# Allegro board RK_EVB7_RK3588_LP4XD200P232SD8_V11_20230111YWQ.brd (continued)
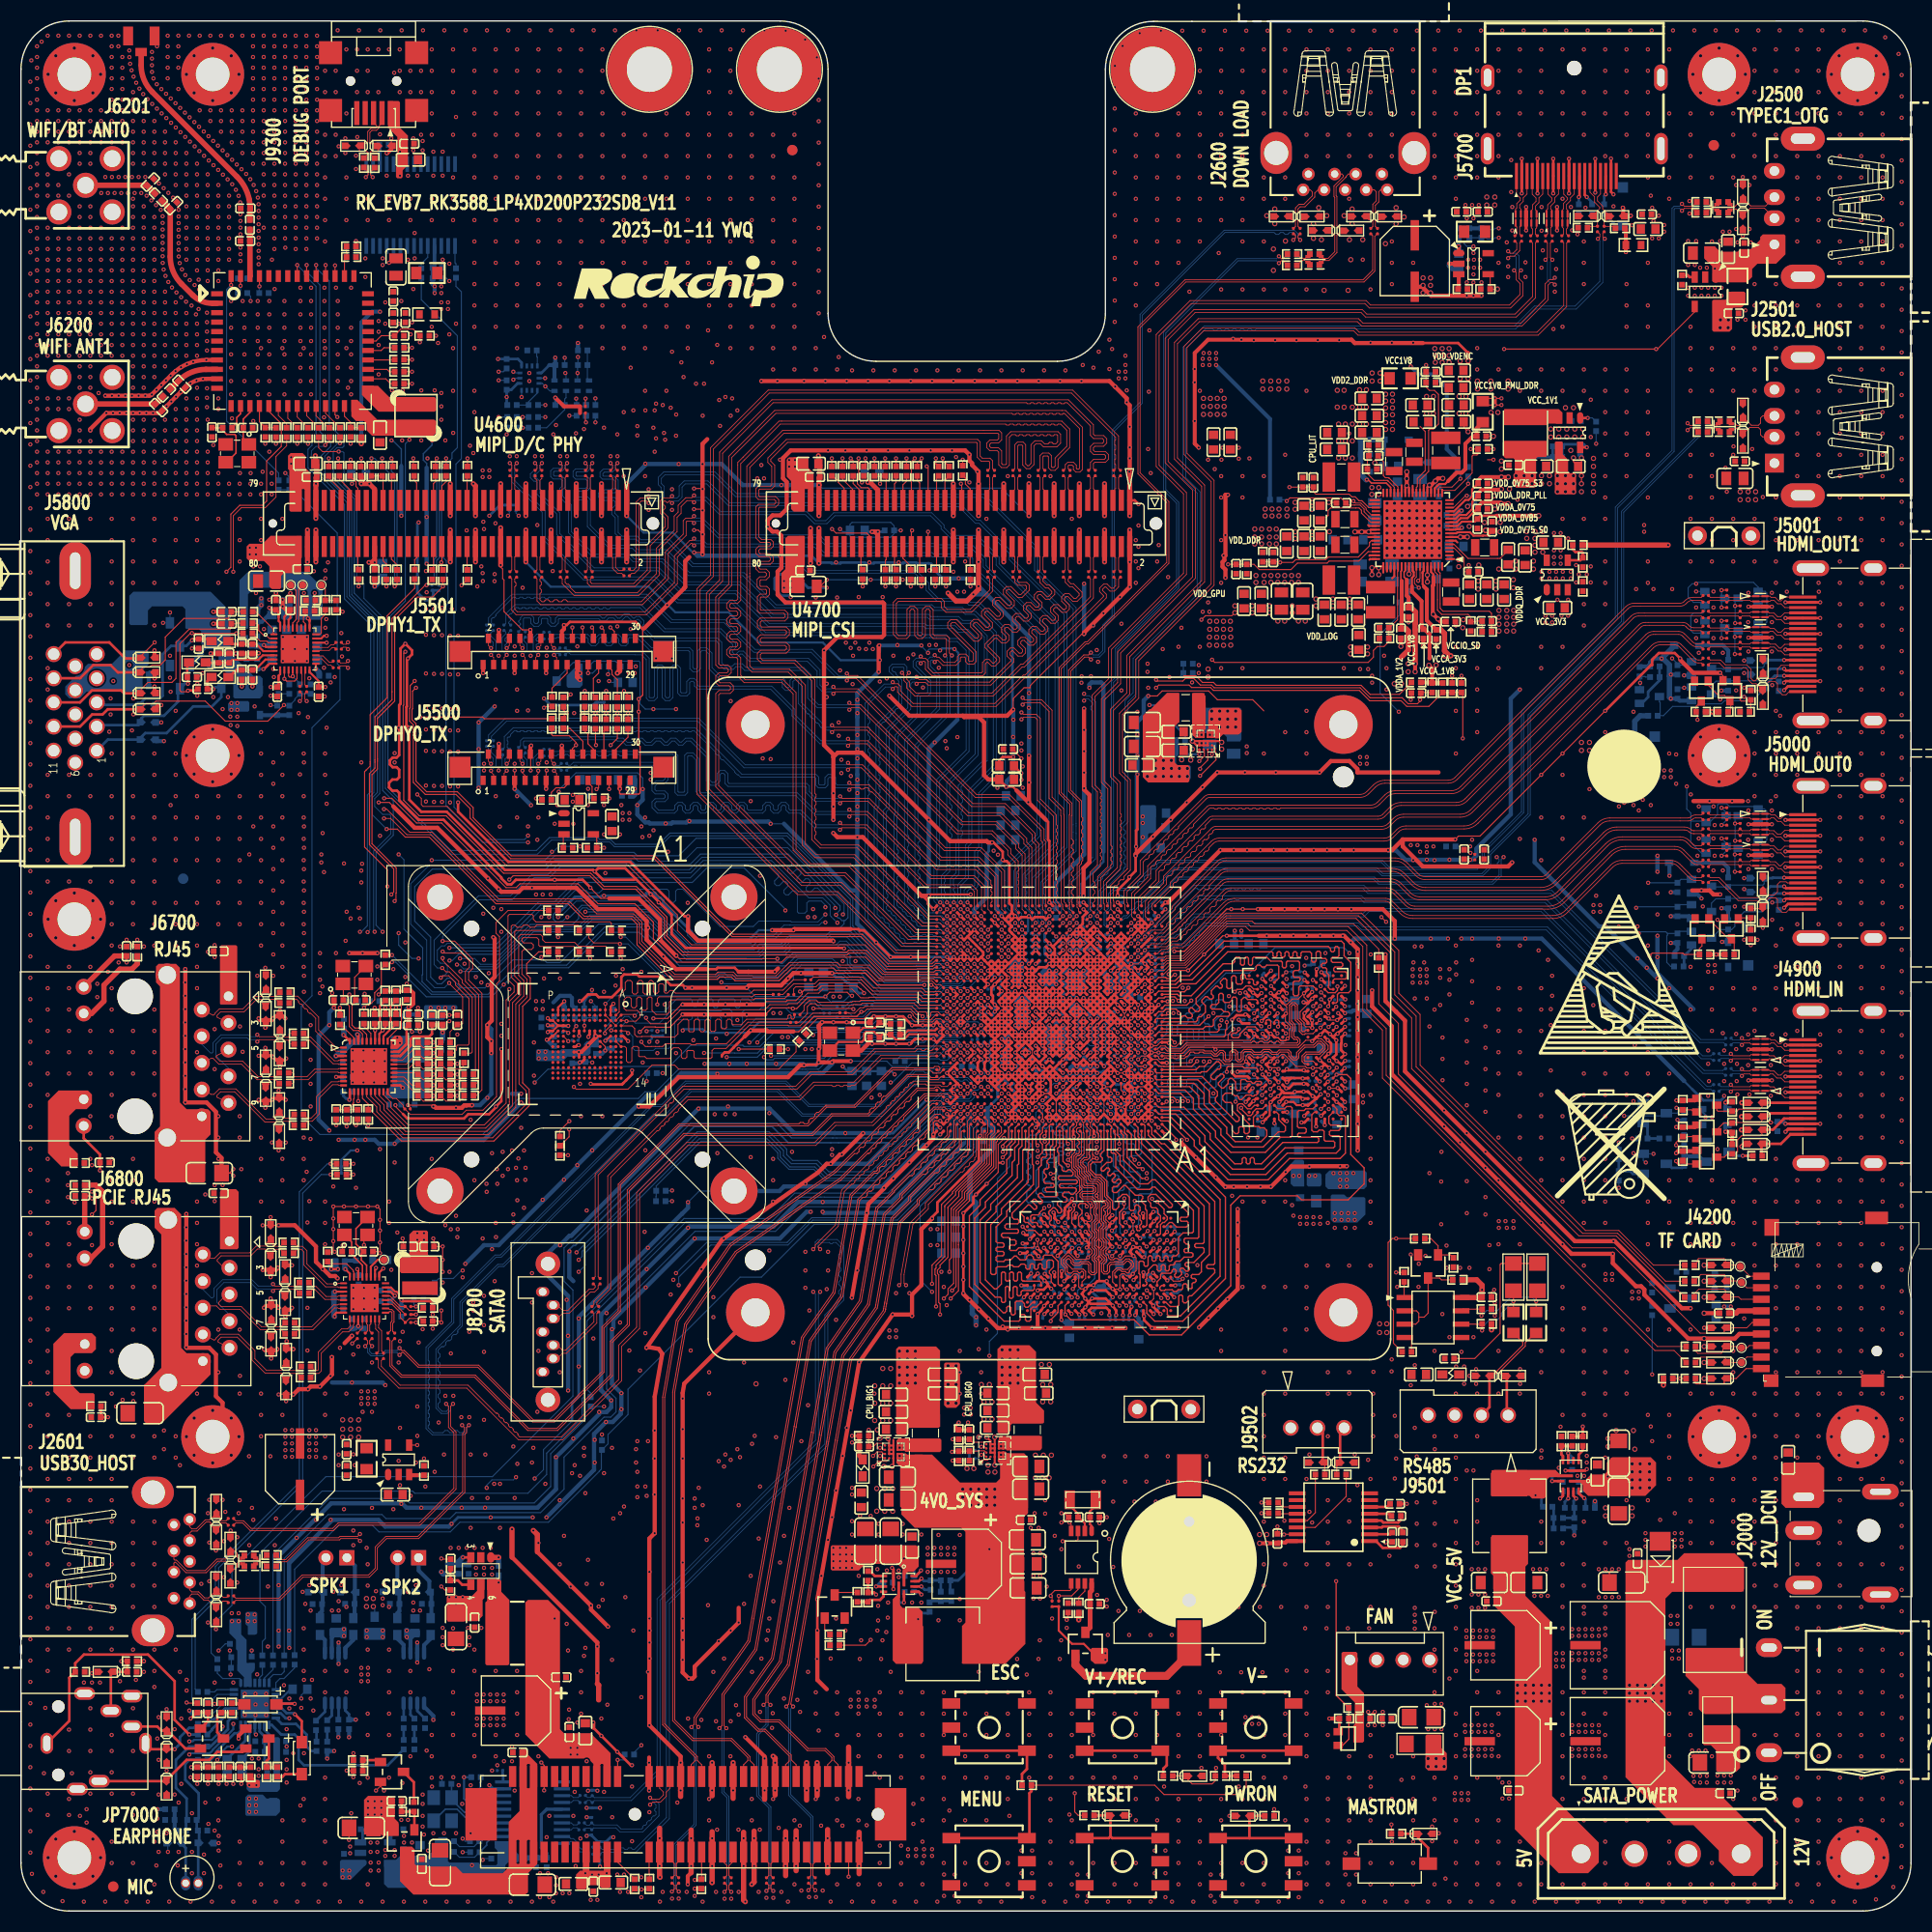
[diagram p0: board, top side]
## Routing (per net, layer and track width the routed paths; a pad name or vN(x,y) marks a point on that pad's centre or on a via; arc(x,y) is an arc through that point) (continued)
  TOP w0.254: U1000.AE6 v1(105.74,89.55) U1000.AD5 ; U1000.AE6 105.07,90.23 ; U1000.AE6 v1(105.74,90.2) ; v1(99.89,77.2) 99.57,76.88 99.57,76.88 ; v1(99.89,77.2) U1000.F14 ; v1(99.89,77.2) 99.57,77.53 U1000.F15 ; v1(99.89,82.4) U1000.P14 100.22,82.73 v1(99.89,83.05) ; v1(99.89,82.4) 99.57,82.73 U1000.P15 v1(99.89,83.05) ; v1(99.89,82.4) 100.22,82.08 U1000.N14 99.89,81.75 ; v1(99.89,82.4) U1000.N15 99.89,81.75 ; 92.74,85 92.1,84.37 ; 92.74,85 v1(93.39,84.35) ; 92.74,85 93.07,85.33 U1000.V25 ; 92.1,84.37 U1000.T27 v1(92.09,83.7) ; 92.1,84.37 92.42,84.05 U1000.T26 ; 92.1,84.37 92.08,84.37 91.71,84.74 ; v1(103.79,77.85) U1000.F9 ; U1000.F9 103.14,77.85 ; U1000.F9 103.47,77.53 103.14,77.2 U1000.F10 102.82,77.53 ; U1000.F9 v1(103.79,77.2) U1000.E8 v1(104.44,76.55) 104.29,76.4 104.29,75.99 ; 94.68,77.84 95.02,78.18 U1000.G22 ; 94.68,77.84 U1000.F23 ; 94.68,77.84 94.99,77.53 U1000.F22 ; U1000.D23 94.37,76.23 v1(94.04,75.9) ; U1000.D23 v1(94.69,75.9) ; U1000.D23 94.37,76.23 94.7,76.56 ; 94,94.14 94.08,94.14 U1000.AM23 ; 94,94.14 U1000.AL23 94.13,93.54 94.13,93.36 U1000.AK23 94.37,93.13 94.69,92.81 ; 94,94.14 U1000.AM24 ; U1000.AD11 101.52,89.88 U1000.AE12 ; U1000.AD11 102.82,89.88 ; U1000.AD11 102.17,89.23 v1(102.49,88.9) ; U1000.AD11 v1(101.84,88.9) U1000.AC12 101.83,88.26 ; U1000.U19 97.28,84.36 v1(97.28,84.35) ; U1000.U19 v1(96.64,84.35) ; U1000.U19 96.97,84.68 97.3,85.01 ; 107.04,75.9 U1000.C4 ; 107.04,75.9 U1000.D3 ; 107.04,75.9 107.36,75.58 U1000.C3 ; U1000.C4 v1(106.39,75.25) U1000.C5 106.07,75.58 v1(105.74,75.25) ; U1000.C4 106.72,75.58 v1(107.04,75.25) U1000.C3 ; U1000.G22 v1(95.34,78.5) ; U1000.G22 v1(95.34,77.85) ; U1000.G22 94.77,78.43 94.77,78.58 U1000.H22 ; v1(95.34,78.5) U1000.G21 v1(95.34,77.85) ; v1(95.34,78.5) 95.02,78.83 U1000.H22 ; 94.04,94.75 94.05,94.75 U1000.AM23 ; 94.04,94.75 U1000.AN23 ; 94.04,94.75 U1000.AM24 ; 95.31,79.83 U1000.J21 ; 95.31,79.83 95.37,79.83 U1000.K21 ; 95.31,79.83 U1000.K22 ; 95.31,79.83 95.31,79.77 U1000.J22 ; U1000.J21 95.97,79.78 96.02,79.78 ; U1000.J21 95.34,79.15 ; U1000.J21 95.93,79.22 96.06,79.22 U1000.J20 ; U1000.J22 94.72,79.18 94.66,79.18 ; U1000.J22 95.34,79.15 ; U1000.J22 v1(94.69,79.8) ; 103.79,80.45 103.47,80.13 U1000.K9 ; 103.79,80.45 U1000.K8 ; 103.79,80.45 103.47,80.78 U1000.L9 v1(103.79,81.1) 103.47,81.43 U1000.M9 103.79,81.75 U1000.N9 v1(103.79,82.4) ; v1(93.39,84.35) U1000.T24 ; v1(93.39,84.35) U1000.U24 ; v1(93.39,84.35) U1000.T25 ; U1000.T24 93.72,84.03 94.04,84.35 ; U1000.T24 v1(93.39,83.7) ; U1000.T24 94.04,83.71 ; v1(97.94,94.75) U1000.AM18 97.39,94.66 96.54,94.66 U1000.AM20 v1(95.99,94.75) 95.89,94.66 95.24,94.66 U1000.AM22 v1(94.69,94.75) ; U1000.AG30 v1(89.49,91.5) ; U1000.AG30 v1(90.14,90.85) ; U1000.AG30 v1(89.49,90.85) ; v1(89.75,58.84) v1(89.75,60.11) v1(89.75,61.38) v1(89.75,62.65) v1(89.75,63.92) v1(89.75,65.19) v1(89.75,66.46) 90.7,67.41 90.7,67.99 v1(90.96,68.24) v1(91.97,69.26) ; v1(100.54,81.1) U1000.M14 ; U1000.M14 99.94,81.15 99.85,81.15 U1000.M15 ; U1000.M14 99.89,81.75 ; U1000.F23 94.37,77.52 94.69,77.2 ; U1000.F23 v1(94.04,77.85) ; U1000.Y14 v1(100.54,86.95) U1000.Y13 ; U1000.Y14 v1(99.89,86.95) U1000.Y15 ; U1000.Y14 99.92,86.33 ; v1(58.2,80.05) 58.2,79.68 57.63,79.12 57.25,78.73 57.24,78.72 54.32,78.72 v1(54.26,78.78) ; U1000.AA3 107.63,87.02 107.63,86.89 U1000.Y3 ; U1000.AA3 v1(107.69,87.6) U1000.AB3 107.37,87.93 v1(107.69,88.25) U1000.AC3 ; U1000.AA3 107.04,86.95 107.37,86.63 U1000.Y3 ; 99.24,89.55 98.92,89.23 U1000.AD16 v1(99.24,88.9) U1000.AC16 99.24,88.25 98.92,87.93 U1000.AB16 ; 99.24,89.55 U1000.AE15 ; 99.24,89.55 U1000.AE16 ; v1(92.09,79.15) v1(92.74,79.8) ; v1(92.09,79.15) U1000.J27 91.77,79.48 v1(91.44,79.15) ; v1(92.09,79.15) U1000.H26 ; U1000.W9 103.47,85.98 103.79,85.65 ; U1000.W9 U1000.Y10 ; U1000.W9 103.14,85.65 ; U1000.W9 103.77,86.28 ; 96.64,83.05 U1000.P20 ; 96.64,83.05 U1000.R19 ; 96.64,83.05 U1000.P19 ; 96.64,83.05 U1000.R20 ; U1000.P20 95.99,82.4 ; U1000.P20 96.32,82.73 v1(95.99,83.05) ; v1(167.92,116.98) 168.08,117.14 J5001.17 v1(171.35,117.14) ; v1(120.55,75.22) 120.37,75.22 U3800.AB5 ; v1(101.5,63.19) 101.7,63.38 U3801.N4 101.39,63.89 101.39,63.9 v1(101.36,63.93) 101.35,63.93 101.05,64.23 U3801.P3 100.81,64.61 v1(100.81,64.73) ; U1000.AJ22 94.69,92.81 ; U1000.AJ22 95.02,92.48 v1(95.34,92.15) ; U1000.AJ22 95,92.48 94.69,92.16 ; U1000.AJ22 v1(95.34,92.8) U1000.AJ21 95.67,92.48 v1(95.34,92.15) ; 94.69,92.81 94.69,92.8 U1000.AJ23 94.37,92.48 94.69,92.16 ; 101.18,93.46 100.87,93.78 U1000.AL13 ; 101.18,93.46 U1000.AK12 ; 101.18,93.46 100.87,93.15 U1000.AK13 ; U1000.AA21 v1(95.34,87.6) U1000.AA22 ; U1000.AA21 96,86.95 ; U1000.AA21 v1(95.99,87.6) ; U1000.AB32 v1(88.84,87.6) U1000.AA31 v1(88.84,86.95) ; U3801.N11 101.7,58.03 v1(102.01,58.33) 103.29,58.33 U3801.K11 103.8,57.83 ; U3801.N11 v1(101.36,58.32) U3801.P10 v1(101.37,59.25) ; U3801.N11 101.85,57.83 103.8,57.83 ; U3801.N11 101.36,57.5 v1(101.36,57.5) 101.36,57.49 U3801.P12 101.05,57.13 v1(101.37,56.81) ; C5822.2 16.72,116.25 15.93,116.25 v1(15.9,116.22) ; 103.14,77.85 102.82,78.18 U1000.G10 v1(103.14,78.5) U1000.H10 ; 103.14,77.85 102.82,77.53 ; U1000.AA19 U1000.Y20 ; U1000.AA19 v1(97.29,87.6) ; U1000.AA19 v1(96.64,87.6) ; U1000.AA19 v1(97.29,86.95) ; U1000.Y20 96,86.95 ; U1000.Y20 96.32,86.63 v1(96.64,86.3) ; 104.82,84.63 104.82,84.73 ; 104.82,84.63 104.43,85.02 ; 104.82,84.63 v1(105.09,84.35) ; 104.82,84.73 v1(104.44,84.35) U1000.V9 ; 104.82,84.73 v1(105.09,85) 105.4,84.69 ; v1(94.04,85) U1000.U23 94.04,84.35 ; v1(94.04,85) U1000.U24 ; v1(94.04,85) 93.72,85.33 U1000.V24 ; v1(94.04,85) U1000.V23 94.04,85.65 ; 96,80.46 95.69,80.78 U1000.L21 ; 96,80.46 U1000.K21 ; 96,80.46 96.32,80.78 U1000.L20 ; v1(104.3,56.76) U3801.J12 v1(103.97,57.65) 103.8,57.83 ; U1000.C22 v1(94.69,75.25) U1000.C23 ; U1000.C22 95.02,75.58 v1(95.34,75.25) U1000.C21 95.99,75.25 96.09,75.35 U1000.C20 96.32,75.58 v1(96.64,75.25) 96.97,74.93 U1000.B19 v1(96.64,74.6) ; U1000.C22 v1(94.69,75.9) ; v1(96.64,88.25) 96.97,87.93 U1000.AB19 ; v1(96.64,88.25) U1000.AB20 ; v1(96.64,88.25) 96.32,88.58 U1000.AC20 ; U1000.F20 96.32,77.53 v1(96.64,77.2) ; U1000.F20 v1(95.99,77.2) ; U1000.F20 96.32,77.53 96.64,77.85 ; U1000.AK13 v1(100.54,92.8) 100.22,93.13 U1000.AK14 ; U1000.AK13 100.8,93.2 ; U1000.AF15 v1(99.89,90.85) ; U1000.AF15 v1(99.24,90.85) ; U1000.AF15 v1(99.89,90.2) U1000.AE14 v1(100.54,90.2) ; U1000.AF15 99.24,90.2 ; v1(99.89,90.85) U1000.AF14 ; v1(99.89,90.85) U1000.AG15 v1(99.24,90.85) ; U3801.E12 106.9,56.78 106.93,56.75 106.93,56.68 v1(106.96,56.65) 106.96,56.28 v1(107.72,55.51) ; v1(171.35,80.97) J4900.5 v1(168.05,80.97) ; U1000.Y8 103.83,86.92 103.83,86.99 ; U1000.Y8 103.77,86.28 ; U1000.Y8 104.42,86.93 104.42,86.98 U1000.AA8 ; U1000.Y8 v1(104.44,86.3) U1000.W7 v1(105.09,85.65) 105.42,85.98 U1000.W6 ; 103.79,90.2 U1000.AF8 ; 103.79,90.2 103.15,90.85 ; 103.79,90.2 U1000.AE9 ; U1000.AF8 104.43,90.22 ; U1000.AF8 v1(103.79,90.85) ; U1000.AF8 104.44,90.85 ; U3801.C1 v1(107.91,65.69) 107.55,65.33 U3801.D2 ; U3800.T8 v1(122.07,79.29) 122.03,79.33 120.97,79.33 ; 90.14,92.8 91.64,91.3 91.64,91.04 91.45,90.85 ; 90.14,92.8 U1000.AJ30 v1(89.49,92.8) ; 90.14,92.8 U1000.AK29 ; 97.94,79.16 97.94,79.15 98.07,79.03 98.07,77.98 97.94,77.85 98.27,77.53 ; 97.94,79.16 97.62,79.48 U1000.J18 ; 97.94,79.16 98.26,79.48 ; U1000.L20 96,81.1 96,81.11 ; U1000.L20 96.61,81.07 96.68,81.07 ; U1000.Y3 v1(107.69,86.3) ; v1(107.69,86.3) U1000.W2 ; v1(107.69,86.3) U1000.W3 ; 105.41,77.53 105.54,77.4 105.54,77.4 v1(105.74,77.2) 105.42,76.88 U1000.E6 105.42,76.88 ; 105.41,77.53 v1(105.74,77.85) ; 105.41,77.53 v1(105.09,77.2) ; v1(105.09,84.35) U1000.T6 ; v1(105.09,84.35) 105.09,84.38 105.4,84.69 ; U1000.T6 v1(105.74,83.7) U1000.R5 ; U1000.T6 v1(105.74,84.35) 105.74,84.38 105.43,84.69 ; U1000.P8 v1(104.44,82.4) ; U1000.P8 104.12,82.73 v1(104.44,83.05) U1000.R8 ; U1000.P8 v1(103.79,82.4) ; v1(105.6,56.76) U3801.G12 v1(105.77,57.55) ; U1000.W6 v1(105.74,86.3) ; U1000.W6 105.42,85.98 v1(105.74,85.65) U1000.V5 ; v1(105.74,86.3) U1000.Y6 ; v1(105.74,86.3) 106.07,86.63 U1000.Y5 ; 92.1,85 91.83,84.74 91.71,84.74 ; 92.1,85 U1000.T25 ; 92.1,85 91.77,85.33 U1000.V27 ; U2000.10 v1(85.75,30.91) ; v1(105.09,91.5) 104.12,92.48 U1000.AJ8 ; v1(105.09,91.5) 105.42,91.18 ; v1(105.09,91.5) U1000.AG7 ; U1000.H14 v1(99.89,79.15) ; U1000.H14 99.89,78.5 U1000.G15 ; U1000.H14 v1(100.54,79.15) ; v1(99.89,79.15) 99.57,79.48 U1000.J15 v1(99.24,79.15) U1000.J16 ; v1(99.89,79.15) U1000.J14 100.22,79.48 v1(100.54,79.15) ; 133.5,149.33 136.87,149.33 137.82,148.38 ; 98.26,90.52 97.95,90.21 ; 98.26,90.52 98.58,90.84 98.61,90.84 ; 98.26,90.52 98.27,90.52 ; 97.95,90.21 U1000.AE18 U1000.AE19 96.64,89.55 ; 97.95,90.21 98.2,89.96 98.32,89.96 98.58,90.21 ; v1(99.24,85) 99.57,85.33 U1000.V15 ; v1(99.24,85) U1000.U16 v1(98.59,85) 98.27,84.68 U1000.U17 ; v1(99.24,85) 99.57,84.68 U1000.U15 ; v1(96.64,84.35) 96.32,84.68 U1000.U20 ; v1(96.64,84.35) U1000.T20 ; v1(96.64,84.35) U1000.T19 ; U3800.D9 123.22,87.13 v1(122.98,86.89) U3800.E8 122.22,86.48 v1(122.15,86.55) ; 98.27,75.58 v1(97.94,75.25) U1000.C18 v1(97.94,75.9) ; 98.27,75.58 v1(97.94,75.9) ; 98.27,75.58 U1000.C17 ; U1000.AC20 v1(95.99,88.9) ; U1000.AC20 v1(96.64,88.9) U1000.AD20 ; U1000.AC20 v1(95.99,88.25) ; U3800.J3 118.89,83.55 v1(119.02,83.55) 119.04,83.55 U3800.K4 ; v1(95.34,83.05) 95.02,83.38 U1000.R22 ; v1(95.34,83.05) U1000.P21 ; v1(95.34,83.05) U1000.P22 ; v1(95.34,83.05) U1000.R21 ; 104.29,75.99 104.36,75.99 U1000.C7 ; 104.29,75.99 104.29,75.75 U1000.C8 ; U1000.AD20 96.32,89.23 v1(95.99,89.55) ; U1000.AD20 96.64,89.55 ; U1000.AD20 v1(95.99,88.9) ; 92.74,79.15 U1000.H26 ; 92.74,79.15 U1000.J25 ; 92.74,79.15 U1000.H25 ; U1000.H26 92.73,78.52 ; C1035.2 93.17,109.57 93.51,109.91 v1(94.49,109.91) ; U1000.L19 v1(97.29,80.45) 97.62,80.13 U1000.K18 ; U1000.L19 96.68,81.07 ; U1000.L19 U1000.M18 v1(97.29,81.75) U1000.N18 97.62,82.08 v1(97.29,82.4) ; U1000.R22 v1(95.34,83.7) U1000.R21 ; U1000.R22 v1(94.69,83.05) ; U1000.R22 95.02,83.38 v1(94.69,83.7) ; 101.22,90.23 101.16,90.23 U1000.AF13 ; 101.22,90.23 U1000.AF12 ; 101.22,90.23 101.22,90.17 U1000.AE12 ; 101.22,90.23 U1000.AE13 v1(100.54,90.2) ; 98.27,77.53 98.59,77.2 U1000.F16 ; 98.27,77.53 U1000.E18 97.62,76.88 v1(97.94,76.55) 97.62,76.23 v1(97.94,75.9) ; v1(51.71,122.47) 51.97,122.47 52.27,122.77 58.52,122.77 59.21,122.09 ; U1000.V27 v1(91.44,85) 91.71,84.74 ; U1000.V27 v1(91.44,85.65) 91.77,85.98 U1000.W27 v1(91.44,86.3) U1000.Y28 v1(90.79,86.3) ; 92.74,89.55 U1000.AE26 ; 92.74,89.55 93.07,89.23 U1000.AD25 93.39,89.55 ; 92.74,89.55 v1(93.39,90.2) ; 92.74,89.55 U1000.AD26 ; U1000.AE26 92.09,90.2 ; U1000.AE26 92.42,89.88 v1(92.09,89.55) U1000.AD26 ; U1000.AE26 92.74,90.2 ; 90.81,79.14 91.12,79.45 U1000.J28 v1(91.44,79.15) ; 90.81,79.14 90.47,79.48 U1000.J29 ; 90.81,79.14 U1000.H28 v1(91.44,79.15) ; U1000.C30 v1(89.49,75.25) ; U3800.G1 116.76,85.38 v1(116.61,85.38) 116.54,85.31 115.77,85.31 v1(115.34,84.88) ; v1(99.89,83.05) 99.57,83.38 U1000.R15 v1(99.89,83.7) 99.57,84.03 U1000.T15 v1(99.89,84.35) 99.57,84.68 U1000.U15 ; 96,86.95 96,86.96 U1000.AA20 ; U1000.H31 89.17,78.83 v1(89.49,78.5) ; U1000.H31 U1000.J32 v1(88.19,79.8) U1000.K32 88.81,80.42 ; U1000.H31 v1(88.84,78.5) U1000.G32 88.52,78.18 v1(88.84,77.85) 89.17,77.53 U1000.F31 U1000.E32 v1(88.19,77.2) ; U1000.J4 106.72,79.48 v1(107.04,79.15) ; U1000.J4 106.39,79.8 U1000.J5 ; U1000.J4 v1(106.39,79.15) U1000.J5 ; U1000.J4 v1(107.04,79.8) ; v1(89.49,85) 89.17,84.68 U1000.U31 v1(89.49,84.35) U1000.U30 89.82,84.68 v1(89.49,85) ; v1(89.49,85) U1000.V30 ; U1000.AP1 v1(108.99,96.05) ; 106.39,88.9 U1000.AC5 ; 106.39,88.9 U1000.AD5 ; 106.39,88.9 U1000.AC4 ; U1000.AC5 v1(106.39,88.25) ; U1000.AC5 v1(105.74,88.9) 106.07,89.23 U1000.AD5 ; U1000.AC5 105.75,88.26 ; 106.72,83.38 v1(106.39,83.7) U1000.R5 ; 106.72,83.38 v1(107.04,83.05) ; 106.72,83.38 v1(106.39,83.05) U1000.R5 ; U1000.Y13 v1(101.19,86.95) U1000.Y12 ; U1000.Y13 100.87,86.63 v1(101.19,86.3) U1000.W12 ; v1(101.19,79.15) U1000.J12 101.52,79.48 v1(101.84,79.15) ; v1(101.19,79.15) U1000.H12 ; v1(101.19,79.15) 100.87,79.48 U1000.J13 v1(100.54,79.15) ; U1000.H6 v1(105.74,79.15) ; U1000.H6 105.08,78.5 105.4,78.18 U1000.G6 ; U1000.H6 105.74,78.5 ; v1(105.74,79.15) U1000.J6 ; v1(105.74,79.15) 106.07,79.48 ; U1000.F14 100.22,77.53 v1(100.54,77.2) U1000.F13 100.87,77.53 v1(101.19,77.2) 101.52,76.88 U1000.E12 101.52,76.88 v1(101.84,76.55) 101.52,76.23 v1(101.84,75.9) ; U1000.F14 v1(99.89,77.85) ; U1000.J5 106.07,79.48 ; 106.07,79.48 v1(105.74,79.8) ; U3801.D4 v1(107.87,63.9) ; U1000.L31 89.17,80.78 88.81,80.42 ; U1000.M15 99.89,81.75 ; U1000.M15 v1(99.24,81.1) U1000.L16 98.32,80.18 ; 99.89,81.75 99.89,81.75 ; U1000.F21 95.33,77.19 ; U1000.F21 v1(95.34,77.85) ; U1000.F21 95.67,77.53 v1(95.99,77.2) ; 95.33,77.19 U1000.E22 ; 95.33,77.19 95.33,77.21 U1000.F22 ; U1000.J19 v1(97.29,79.15) ; U1000.J19 97.3,79.81 ; U1000.J19 96.97,79.46 96.65,79.14 ; U1000.J19 96.71,79.73 96.57,79.73 U1000.J20 ; v1(97.29,79.15) U1000.J18 ; v1(97.29,79.15) U1000.H19 ; 97.3,79.81 97.3,79.8 U1000.J18 ; 97.3,79.81 U1000.K18 ; U1000.AN23 U1000.AP23 94.13,95.96 94.13,99.74 93.88,99.99 93.62,99.99 v1(93.5,100.12) 93.5,100.88 92.61,101.77 v1(92.48,101.77) ; U1000.AN23 v1(94.69,94.75) ; U1000.Y15 99.87,86.33 99.92,86.33 ; U1000.Y15 v1(99.24,86.95) ; U1000.Y15 U1000.W16 ; 104.43,90.22 104.46,90.22 U1000.AF7 ; 104.43,90.22 U1000.AE7 ; v1(106.32,108.24) 106.32,103.01 106.2,102.89 v1(106.2,101.39) 106.2,100.54 v1(106.15,100.5) 106.15,99.06 v1(105.56,98.47) 105.56,98.34 104.44,97.22 v1(104.44,96.7) ; U1000.AM23 v1(94.69,94.75) ; v1(103.79,90.85) 102.82,89.88 ; v1(103.79,90.85) 104.1,91.17 ; 102.82,89.88 102.18,90.53 U1000.AF11 ; 102.82,89.88 103.14,89.56 103.14,89.55 ; v1(145.93,166.88) J5700.8 v1(145.93,163.58) ; 96.64,77.85 96.96,77.53 U1000.F19 ; 96.64,77.85 U1000.G19 ; U1000.T25 93.44,83.65 ; U1000.T25 U1000.R26 ; v1(90.79,83.7) 91.12,83.38 U1000.R28 ; U1000.C8 v1(103.79,75.25) U1000.C9 103.14,75.9 102.82,75.58 U1000.C10 102.82,75.58 v1(102.49,75.25) 102.17,75.58 U1000.C11 ; U1000.C8 104.44,75.25 U1000.C7 ; U3801.C8 v1(107.8,60.78) ; v1(99.24,90.85) U1000.AF16 ; v1(41.62,105.58) 41.62,104.7 46.41,99.91 58.01,99.91 63.2,94.73 v1(63.53,94.73) ; U1000.R20 v1(95.99,83.05) ; U1000.R20 96.64,83.7 ; U1000.R20 v1(95.99,83.7) ; v1(95.99,83.05) U1000.P21 ; v1(95.99,83.05) 95.67,83.38 U1000.R21 ; U1000.V15 99.23,85.66 ; U1000.V15 v1(99.89,85) U1000.U15 ; 99.23,85.66 99.25,85.66 U1000.W15 ; 99.23,85.66 98.92,85.98 U1000.W16 ; U1000.R26 92.42,83.38 v1(92.09,83.7) ; U1000.R26 U1000.P25 ; U1000.AB11 v1(102.49,88.25) ; U1000.AB11 102.17,87.93 v1(102.49,87.6) ; U1000.AB11 101.83,88.26 ; U1000.AB11 v1(101.84,87.6) U1000.AA11 ; v1(102.49,88.25) U1000.AC11 ; v1(102.49,88.25) 102.82,88.58 U1000.AC10 v1(102.49,88.9) ; v1(102.49,88.25) U1000.AB10 102.82,87.93 v1(102.49,87.6) ; U1000.AF11 102.17,90.49 101.87,90.19 ; U1000.AF11 v1(101.84,90.85) ; U1000.AF11 v1(102.49,90.85) ; U3801.D9 v1(107.87,59.25) ; 120.97,79.33 v1(120.57,78.93) U3800.T5 120.97,79.33 ; U1000.J6 v1(105.09,79.8) 105.42,80.13 ; U1000.J6 105.42,79.48 v1(105.74,79.8) ; v1(168.05,102.41) J5000.5 v1(171.35,102.41) ; v1(168.05,121.64) J5001.8 v1(171.35,121.64) ; U1000.W2 v1(108.34,86.3) ; U1000.W2 v1(107.69,85.65) ; U1000.AE11 102.18,89.88 103.15,90.85 ; U1000.AE11 101.52,89.23 U1000.AD12 U1000.AC11 ; U1000.AE11 102.17,89.89 101.87,90.19 ; U1000.AE11 U1000.AD10 ; v1(97.29,82.4) U1000.P18 U1000.R19 ; v1(97.29,82.4) U1000.P19 ; v1(95.34,77.85) 95.02,77.53 U1000.F22 ; v1(95.99,83.7) U1000.R21 ; v1(95.99,83.7) U1000.T20 ; U1000.C26 92.42,75.58 v1(92.74,75.25) ; 92.74,81.75 U1000.M26 v1(92.74,81.1) ; 92.74,81.75 92.42,82.08 U1000.N26 v1(92.74,82.4) ; 92.74,81.75 U1000.N25 ; 92.74,81.75 U1000.M25 93.07,81.43 v1(92.74,81.1) ; U1000.AE12 101.56,89.88 101.84,90.16 v1(101.84,90.2) ; U1000.D31 v1(88.84,75.9) U1000.C32 ; 97.6,103.93 97.82,103.72 97.82,102.03 97.94,101.91 97.94,96.13 97.94,96.13 v1(97.94,96.05) U1000.AP17 ; U1000.H19 96.97,78.82 96.67,78.53 96.67,78.47 U1000.G19 ; U1000.H19 96.65,79.14 ; U1000.H19 96.97,78.83 v1(97.29,78.5) U1000.G19 ; U1000.K22 v1(94.69,79.8) ; U1000.K22 95.34,80.45 ; v1(94.69,79.8) 94.37,79.48 U1000.J23 ; U1000.P21 95.99,82.4 ; U1000.P21 95.34,82.4 ; U1000.AM26 v1(92.74,94.1) 93.07,93.78 ; 103.14,89.55 102.82,89.23 U1000.AD10 ; 103.14,89.55 U1000.AE9 ; U1000.AG7 U1000.AH8 104.12,91.83 U1000.AJ7 ; U1000.AG7 104.77,91.13 105.07,90.83 ; U1000.AG7 104.44,90.85 ; 99.57,76.88 v1(99.89,76.55) 99.57,76.23 v1(99.89,75.9) ; 99.57,76.88 v1(99.24,77.2) ; v1(103.93,63.25) 103.93,63.3 U3801.K4 ; U1000.C23 94.37,75.58 v1(94.04,75.25) 93.72,74.93 U1000.B24 ; U1000.C23 v1(94.69,75.9) ; U1000.C23 v1(94.04,75.9) ; U1000.J25 v1(92.74,79.8) ; U1000.J25 93.07,79.48 93.39,79.15 ; U1000.J25 93.38,79.8 93.38,79.81 ; v1(168.05,77.97) J4900.11 v1(171.35,77.97) ; U1000.F19 96.97,77.53 v1(96.64,77.2) ; U1000.F19 v1(97.29,77.85) U1000.G19 ; U1000.Y18 v1(97.29,86.95) ; U1000.Y18 97.62,86.63 v1(97.94,86.3) ; U1000.Y18 v1(97.94,86.95) ; U1000.Y18 v1(97.29,86.3) ; v1(97.29,86.95) U1000.AA18 ; v1(97.29,86.95) U1000.Y19 ; U1000.Y19 v1(96.64,86.3) ; U1000.Y19 96.97,86.63 v1(97.29,86.3) ; U1000.Y19 U1000.AA20 ; v1(96.64,86.3) U1000.W19 ; v1(96.64,86.3) U1000.W20 ; v1(101.84,90.85) 101.84,90.87 101.53,91.18 U1000.AG12 ; v1(101.84,90.85) 101.84,90.81 101.56,90.53 101.53,90.53 ; 93.38,79.81 U1000.J24 ; 93.38,79.81 92.99,80.21 ; U1000.AL3 107.05,93.46 ; U1000.AL3 107.04,94.1 ; U1000.AL3 v1(107.69,94.1) ; 107.05,93.46 106.73,93.78 U1000.AL4 ; 107.05,93.46 v1(107.04,93.45) 106.72,93.13 U1000.AK4 106.39,93.45 ; 101.86,92.14 101.87,92.13 ; 101.86,92.14 101.52,92.48 U1000.AJ12 ; 101.86,92.14 101.83,92.14 U1000.AH12 101.24,91.56 101.24,91.45 U1000.AG12 ; 101.87,92.13 101.87,92.18 102.17,92.48 U1000.AJ11 101.84,92.8 ; 101.87,92.13 U1000.AH11 102.51,91.48 U1000.AG10 ; U1000.D3 107.69,76.55 U1000.E3 ; U1000.D3 107.37,76.23 v1(107.69,75.9) 107.37,75.58 U1000.C3 ; U1000.D3 107.04,76.55 U1000.E3 ; v1(171.35,123.14) J5001.5 v1(168.05,123.14) ; U1000.V19 97.28,85.01 97.3,85.01 ; U1000.V19 v1(96.64,85.65) ; U1000.V19 v1(97.29,85.65) ; 107.37,80.13 v1(107.69,79.8) 107.37,79.48 ; 107.37,80.13 U1000.K3 v1(107.04,79.8) ; 107.37,80.13 107.39,80.13 107.71,80.44 U1000.L3 107.69,81.1 U1000.M3 v1(107.69,81.75) U1000.N3 107.37,82.08 v1(107.69,82.4) U1000.P3 107.37,82.73 ; 105.44,92.5 v1(105.74,92.8) U1000.AK5 106.39,93.45 ; 105.44,92.5 105.4,92.5 105.1,92.8 ; 105.44,92.5 105.12,92.18 ; v1(120.54,87.4) U3800.C5 119.88,87.49 v1(119.8,87.49) 119.73,87.49 U3800.D4 ; U1000.AM28 v1(90.79,94.75) ; U1000.Y9 103.47,86.59 103.77,86.28 ; U1000.Y9 U1000.AA10 v1(102.49,87.6) ; U1000.Y9 102.82,85.98 ; U1000.Y9 103.83,86.99 ; 104.43,85.02 U1000.V8 ; 104.43,85.02 104.43,84.99 103.8,84.36 ; U1000.T19 U1000.R18 v1(97.29,83.05) U1000.P19 ; U1000.T19 v1(97.28,84.35) ; U1000.T19 96.64,83.7 ; 94.04,84.35 U1000.T23 ; 94.04,84.35 U1000.U24 ; U4000.K8 52.84,82.32 52.96,82.44 53.1,82.44 v1(53.12,82.46) ; v1(105.74,77.85) 105.74,77.85 106.07,78.18 ; v1(105.74,77.85) 105.42,78.18 U1000.G6 ; v1(144.43,163.58) J5700.5 v1(144.43,166.88) ; 88.81,80.42 88.88,80.42 U1000.K31 ; U1000.V9 103.47,85.33 103.14,85.65 ; U1000.V9 v1(103.14,85) ; U1000.V9 103.79,85.65 ; U1000.J23 94.04,79.15 U1000.J24 ; U1000.J23 94.66,79.18 ; U1000.J23 v1(94.04,79.8) 93.72,79.48 U1000.J24 ; U3801.W11 v1(97.45,57.63) U3801.Y12 v1(96.82,56.85) ; v1(95.99,88.9) 95.67,89.23 U1000.AD21 v1(95.99,89.55) ; v1(95.99,88.9) U1000.AC21 v1(95.99,88.25) ; 94.04,83.7 U1000.R24 93.44,83.65 ; 94.04,83.7 U1000.T23 ; 94.04,83.7 94.04,83.71 ; 96,81.11 U1000.M20 96.68,81.07 ; 96,81.11 U1000.L21 ; 107.37,82.73 v1(107.69,83.05) 107.37,83.38 U1000.R3 ; 107.37,82.73 v1(107.04,83.05) ; U1000.B6 105.42,74.93 ; 105.42,74.93 v1(105.74,75.25) ; 105.42,74.93 105.09,75.25 ; U1000.AG6 105.42,91.18 ; 105.42,91.18 105.07,90.83 ; v1(107.69,88.9) 107.37,88.58 U1000.AC3 ; v1(105.74,79.8) U1000.K6 ; U1000.H10 103.15,79.16 ; U1000.H10 v1(102.49,79.15) ; 103.15,79.16 103.13,79.16 U1000.J10 ; 103.15,79.16 103.47,79.48 ; v1(151.43,166.9) J5700.19 151.43,163.72 v1(151.66,163.49) ; v1(171.35,74.97) J4900.17 168.05,74.97 v1(168.05,74.97) 